# KiCad board Si5351ABreakout_panel.kicad_pcb (continued)
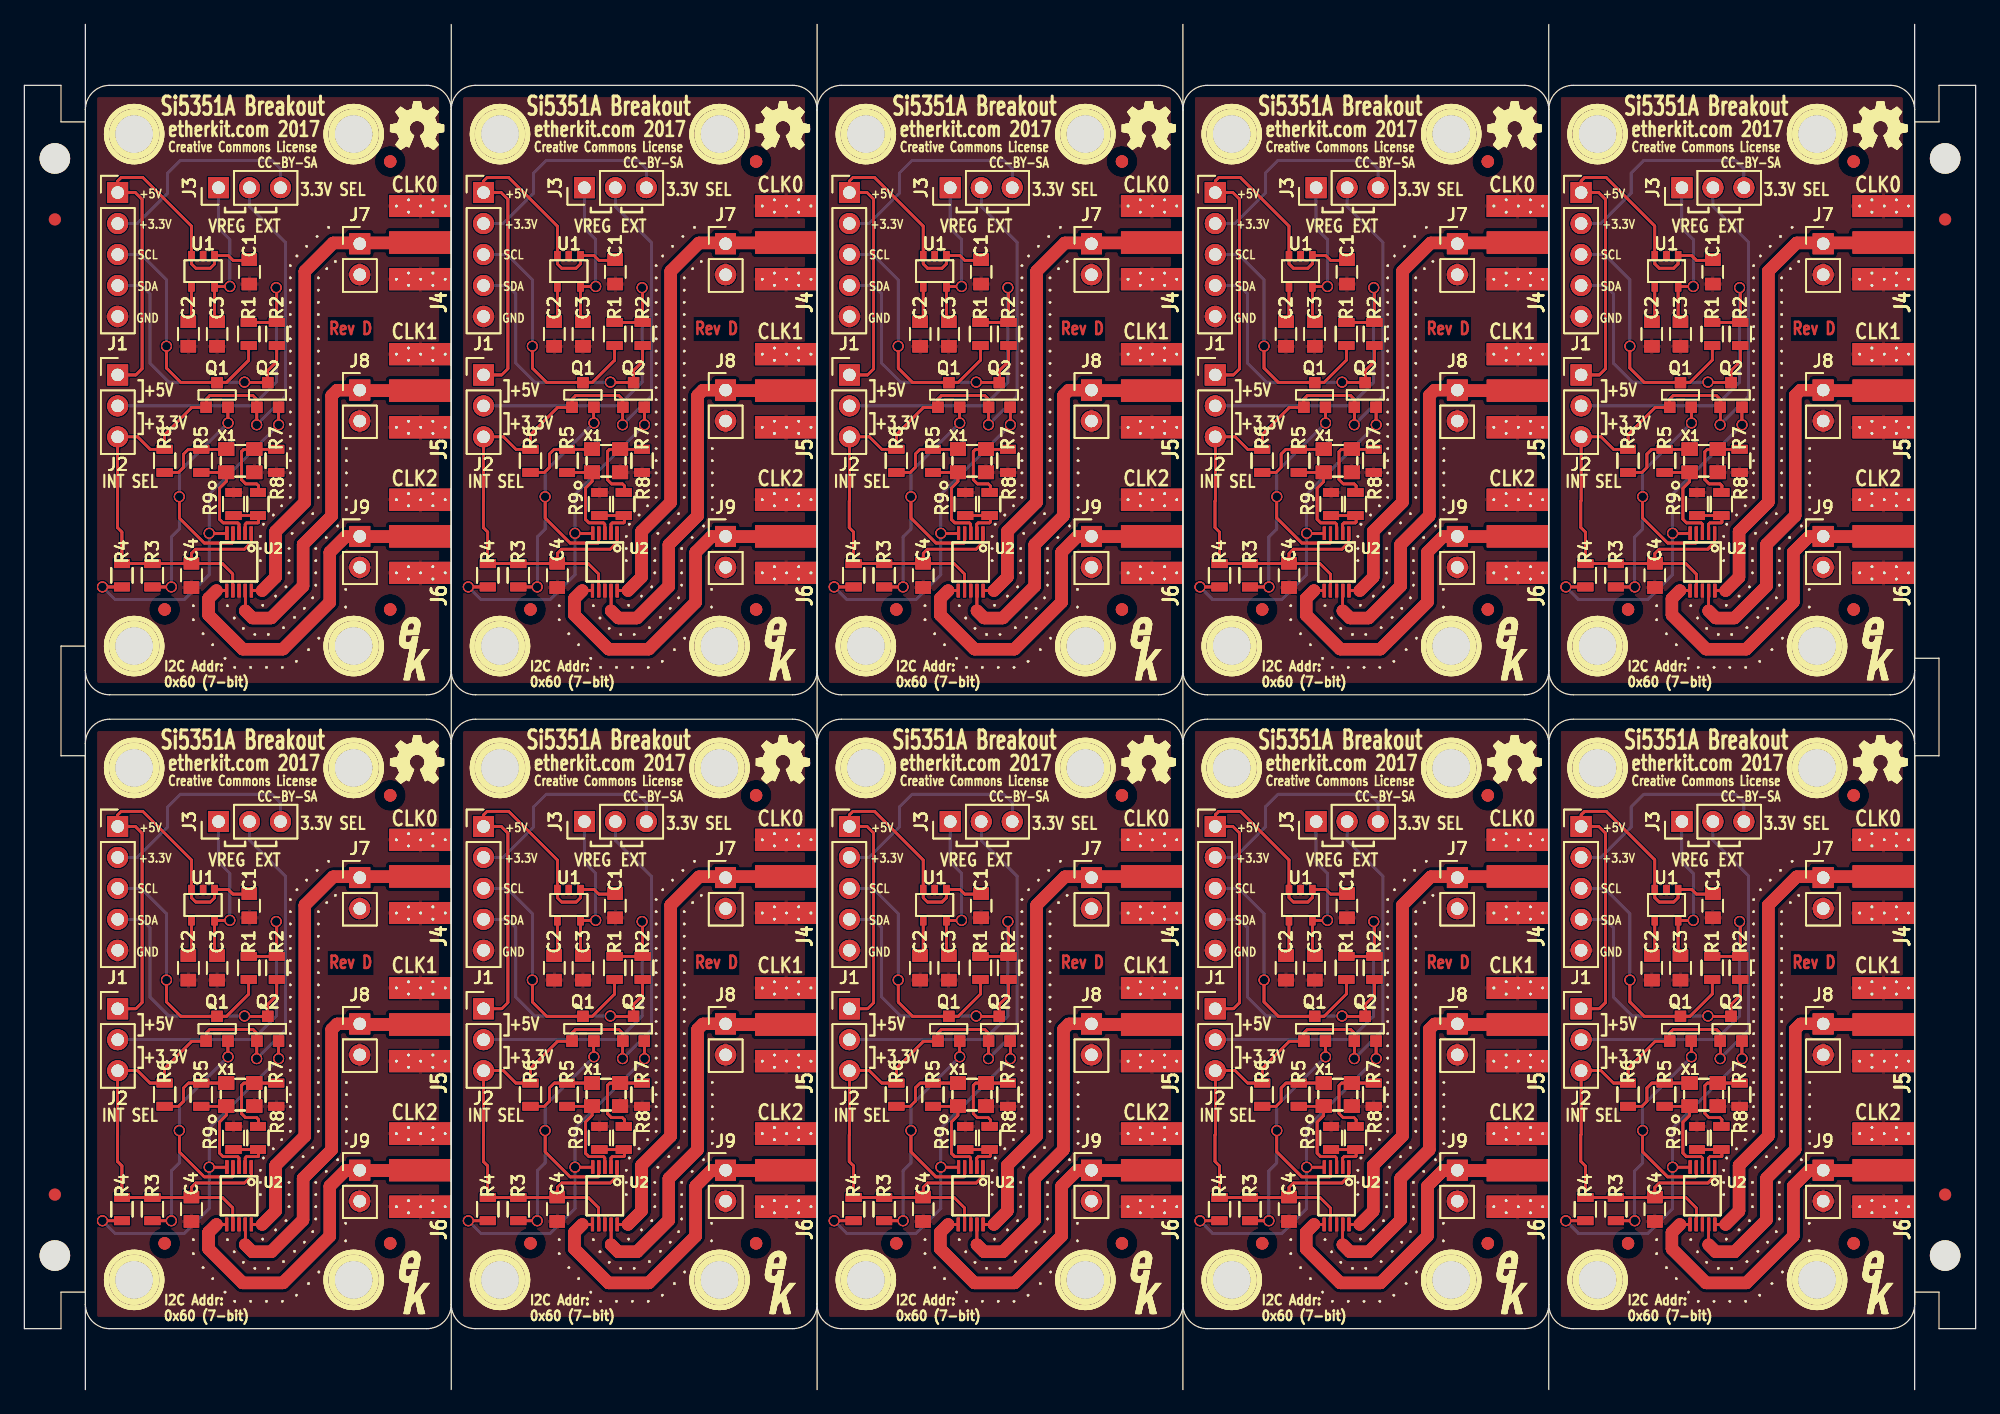
[diagram p0: board, top side]
## Placement (name value [footprint] x y rotation side) (continued)
VIA  VAL**  [VIA]  21.8 92.2 0 top
VIA#2  VAL**  [VIA]  51.8 92.2 0 top
VIA#3  VAL**  [VIA]  81.8 92.2 0 top
VIA#4  VAL**  [VIA]  111.8 92.2 0 top
VIA#5  VAL**  [VIA]  141.8 92.2 0 top
VIA#6  VAL**  [VIA]  21.8 91.2 0 top
VIA#7  VAL**  [VIA]  51.8 91.2 0 top
VIA#8  VAL**  [VIA]  81.8 91.2 0 top
VIA#9  VAL**  [VIA]  111.8 91.2 0 top
VIA#10  VAL**  [VIA]  141.8 91.2 0 top
VIA#11  VAL**  [VIA]  21.8 90.2 0 top
VIA#12  VAL**  [VIA]  51.8 90.2 0 top
VIA#13  VAL**  [VIA]  81.8 90.2 0 top
VIA#14  VAL**  [VIA]  111.8 90.2 0 top
VIA#15  VAL**  [VIA]  141.8 90.2 0 top
VIA#16  VAL**  [VIA]  21.8 89.2 0 top
VIA#17  VAL**  [VIA]  51.8 89.2 0 top
VIA#18  VAL**  [VIA]  81.8 89.2 0 top
VIA#19  VAL**  [VIA]  111.8 89.2 0 top
VIA#20  VAL**  [VIA]  141.8 89.2 0 top
VIA#21  VAL**  [VIA]  21.8 88.2 0 top
VIA#22  VAL**  [VIA]  51.8 88.2 0 top
VIA#23  VAL**  [VIA]  81.8 88.2 0 top
VIA#24  VAL**  [VIA]  111.8 88.2 0 top
VIA#25  VAL**  [VIA]  141.8 88.2 0 top
VIA#26  VAL**  [VIA]  21.8 87.2 0 top
VIA#27  VAL**  [VIA]  51.8 87.2 0 top
VIA#28  VAL**  [VIA]  81.8 87.2 0 top
VIA#29  VAL**  [VIA]  111.8 87.2 0 top
VIA#30  VAL**  [VIA]  141.8 87.2 0 top
VIA#31  VAL**  [VIA]  21.8 86.2 0 top
VIA#32  VAL**  [VIA]  51.8 86.2 0 top
VIA#33  VAL**  [VIA]  81.8 86.2 0 top
VIA#34  VAL**  [VIA]  111.8 86.2 0 top
VIA#35  VAL**  [VIA]  141.8 86.2 0 top
VIA#36  VAL**  [VIA]  21.8 85.2 0 top
VIA#37  VAL**  [VIA]  51.8 85.2 0 top
VIA#38  VAL**  [VIA]  81.8 85.2 0 top
VIA#39  VAL**  [VIA]  111.8 85.2 0 top
VIA#40  VAL**  [VIA]  141.8 85.2 0 top
VIA#41  VAL**  [VIA]  21.8 84.2 0 top
VIA#42  VAL**  [VIA]  51.8 84.2 0 top
VIA#43  VAL**  [VIA]  81.8 84.2 0 top
VIA#44  VAL**  [VIA]  111.8 84.2 0 top
VIA#45  VAL**  [VIA]  141.8 84.2 0 top
VIA#46  VAL**  [VIA]  21.8 83.2 0 top
VIA#47  VAL**  [VIA]  51.8 83.2 0 top
VIA#48  VAL**  [VIA]  81.8 83.2 0 top
VIA#49  VAL**  [VIA]  111.8 83.2 0 top
VIA#50  VAL**  [VIA]  141.8 83.2 0 top
VIA#51  VAL**  [VIA]  21.8 82.2 0 top
VIA#52  VAL**  [VIA]  51.8 82.2 0 top
VIA#53  VAL**  [VIA]  81.8 82.2 0 top
VIA#54  VAL**  [VIA]  111.8 82.2 0 top
VIA#55  VAL**  [VIA]  141.8 82.2 0 top
VIA#56  VAL**  [VIA]  21.8 81.2 0 top
VIA#57  VAL**  [VIA]  51.8 81.2 0 top
VIA#58  VAL**  [VIA]  81.8 81.2 0 top
VIA#59  VAL**  [VIA]  111.8 81.2 0 top
VIA#60  VAL**  [VIA]  141.8 81.2 0 top
VIA#61  VAL**  [VIA]  21.8 80.2 0 top
VIA#62  VAL**  [VIA]  51.8 80.2 0 top
VIA#63  VAL**  [VIA]  81.8 80.2 0 top
VIA#64  VAL**  [VIA]  111.8 80.2 0 top
VIA#65  VAL**  [VIA]  141.8 80.2 0 top
VIA#66  VAL**  [VIA]  21.8 79.2 0 top
VIA#67  VAL**  [VIA]  51.8 79.2 0 top
VIA#68  VAL**  [VIA]  81.8 79.2 0 top
VIA#69  VAL**  [VIA]  111.8 79.2 0 top
VIA#70  VAL**  [VIA]  141.8 79.2 0 top
VIA#71  VAL**  [VIA]  21.8 78.2 0 top
VIA#72  VAL**  [VIA]  51.8 78.2 0 top
VIA#73  VAL**  [VIA]  81.8 78.2 0 top
VIA#74  VAL**  [VIA]  111.8 78.2 0 top
VIA#75  VAL**  [VIA]  141.8 78.2 0 top
VIA#76  VAL**  [VIA]  21.8 77.2 0 top
VIA#77  VAL**  [VIA]  51.8 77.2 0 top
VIA#78  VAL**  [VIA]  81.8 77.2 0 top
VIA#79  VAL**  [VIA]  111.8 77.2 0 top
VIA#80  VAL**  [VIA]  141.8 77.2 0 top
VIA#81  VAL**  [VIA]  21.8 76.2 0 top
VIA#82  VAL**  [VIA]  51.8 76.2 0 top
VIA#83  VAL**  [VIA]  81.8 76.2 0 top
VIA#84  VAL**  [VIA]  111.8 76.2 0 top
VIA#85  VAL**  [VIA]  141.8 76.2 0 top
VIA#86  VAL**  [VIA]  21.8 75.2 0 top
VIA#87  VAL**  [VIA]  51.8 75.2 0 top
VIA#88  VAL**  [VIA]  81.8 75.2 0 top
VIA#89  VAL**  [VIA]  111.8 75.2 0 top
VIA#90  VAL**  [VIA]  141.8 75.2 0 top
VIA#91  VAL**  [VIA]  21.8 74.2 0 top
VIA#92  VAL**  [VIA]  51.8 74.2 0 top
VIA#93  VAL**  [VIA]  81.8 74.2 0 top
VIA#94  VAL**  [VIA]  111.8 74.2 0 top
VIA#95  VAL**  [VIA]  141.8 74.2 0 top
VIA#96  VAL**  [VIA]  21.8 73.2 0 top
VIA#97  VAL**  [VIA]  51.8 73.2 0 top
VIA#98  VAL**  [VIA]  81.8 73.2 0 top
VIA#99  VAL**  [VIA]  111.8 73.2 0 top
VIA#100  VAL**  [VIA]  141.8 73.2 0 top
VIA#101  VAL**  [VIA]  23.65 71.85 0 top
VIA#102  VAL**  [VIA]  53.65 71.85 0 top
VIA#103  VAL**  [VIA]  83.65 71.85 0 top
VIA#104  VAL**  [VIA]  113.65 71.85 0 top
VIA#105  VAL**  [VIA]  143.65 71.85 0 top
VIA#106  VAL**  [VIA]  19.35 68 0 top
VIA#107  VAL**  [VIA]  49.35 68 0 top
VIA#108  VAL**  [VIA]  79.35 68 0 top
VIA#109  VAL**  [VIA]  109.35 68 0 top
VIA#110  VAL**  [VIA]  139.35 68 0 top
VIA#111  VAL**  [VIA]  19.35 69 0 top
VIA#112  VAL**  [VIA]  49.35 69 0 top
VIA#113  VAL**  [VIA]  79.35 69 0 top
VIA#114  VAL**  [VIA]  109.35 69 0 top
VIA#115  VAL**  [VIA]  139.35 69 0 top
VIA#116  VAL**  [VIA]  19.35 70 0 top
VIA#117  VAL**  [VIA]  49.35 70 0 top
VIA#118  VAL**  [VIA]  79.35 70 0 top
VIA#119  VAL**  [VIA]  109.35 70 0 top
VIA#120  VAL**  [VIA]  139.35 70 0 top
VIA#121  VAL**  [VIA]  19.6 71 0 top
VIA#122  VAL**  [VIA]  49.6 71 0 top
VIA#123  VAL**  [VIA]  79.6 71 0 top
VIA#124  VAL**  [VIA]  109.6 71 0 top
VIA#125  VAL**  [VIA]  139.6 71 0 top
VIA#126  VAL**  [VIA]  20.4 71.75 0 top
VIA#127  VAL**  [VIA]  50.4 71.75 0 top
VIA#128  VAL**  [VIA]  80.4 71.75 0 top
VIA#129  VAL**  [VIA]  110.4 71.75 0 top
VIA#130  VAL**  [VIA]  140.4 71.75 0 top
VIA#131  VAL**  [VIA]  21.1 72.5 0 top
VIA#132  VAL**  [VIA]  51.1 72.5 0 top
VIA#133  VAL**  [VIA]  81.1 72.5 0 top
VIA#134  VAL**  [VIA]  111.1 72.5 0 top
VIA#135  VAL**  [VIA]  141.1 72.5 0 top
VIA#136  VAL**  [VIA]  24.1 73.2 0 top
VIA#137  VAL**  [VIA]  54.1 73.2 0 top
VIA#138  VAL**  [VIA]  84.1 73.2 0 top
VIA#139  VAL**  [VIA]  114.1 73.2 0 top
VIA#140  VAL**  [VIA]  144.1 73.2 0 top
VIA#141  VAL**  [VIA]  24.1 74.2 0 top
VIA#142  VAL**  [VIA]  54.1 74.2 0 top
VIA#143  VAL**  [VIA]  84.1 74.2 0 top
VIA#144  VAL**  [VIA]  114.1 74.2 0 top
VIA#145  VAL**  [VIA]  144.1 74.2 0 top
VIA#146  VAL**  [VIA]  24.1 75.2 0 top
VIA#147  VAL**  [VIA]  54.1 75.2 0 top
VIA#148  VAL**  [VIA]  84.1 75.2 0 top
VIA#149  VAL**  [VIA]  114.1 75.2 0 top
VIA#150  VAL**  [VIA]  144.1 75.2 0 top
VIA#151  VAL**  [VIA]  24.1 76.2 0 top
VIA#152  VAL**  [VIA]  54.1 76.2 0 top
VIA#153  VAL**  [VIA]  84.1 76.2 0 top
VIA#154  VAL**  [VIA]  114.1 76.2 0 top
VIA#155  VAL**  [VIA]  144.1 76.2 0 top
VIA#156  VAL**  [VIA]  24.1 77.2 0 top
VIA#157  VAL**  [VIA]  54.1 77.2 0 top
VIA#158  VAL**  [VIA]  84.1 77.2 0 top
VIA#159  VAL**  [VIA]  114.1 77.2 0 top
VIA#160  VAL**  [VIA]  144.1 77.2 0 top
VIA#161  VAL**  [VIA]  24.1 78.2 0 top
VIA#162  VAL**  [VIA]  54.1 78.2 0 top
VIA#163  VAL**  [VIA]  84.1 78.2 0 top
VIA#164  VAL**  [VIA]  114.1 78.2 0 top
VIA#165  VAL**  [VIA]  144.1 78.2 0 top
VIA#166  VAL**  [VIA]  24.1 79.2 0 top
VIA#167  VAL**  [VIA]  54.1 79.2 0 top
VIA#168  VAL**  [VIA]  84.1 79.2 0 top
VIA#169  VAL**  [VIA]  114.1 79.2 0 top
VIA#170  VAL**  [VIA]  144.1 79.2 0 top
VIA#171  VAL**  [VIA]  24.1 80.2 0 top
VIA#172  VAL**  [VIA]  54.1 80.2 0 top
VIA#173  VAL**  [VIA]  84.1 80.2 0 top
VIA#174  VAL**  [VIA]  114.1 80.2 0 top
VIA#175  VAL**  [VIA]  144.1 80.2 0 top
VIA#176  VAL**  [VIA]  24.1 81.2 0 top
VIA#177  VAL**  [VIA]  54.1 81.2 0 top
VIA#178  VAL**  [VIA]  84.1 81.2 0 top
VIA#179  VAL**  [VIA]  114.1 81.2 0 top
VIA#180  VAL**  [VIA]  144.1 81.2 0 top
VIA#181  VAL**  [VIA]  22.85 71.1 0 top
VIA#182  VAL**  [VIA]  52.85 71.1 0 top
VIA#183  VAL**  [VIA]  82.85 71.1 0 top
VIA#184  VAL**  [VIA]  112.85 71.1 0 top
VIA#185  VAL**  [VIA]  142.85 71.1 0 top
VIA#186  VAL**  [VIA]  21.95 70.25 0 top
VIA#187  VAL**  [VIA]  51.95 70.25 0 top
VIA#188  VAL**  [VIA]  81.95 70.25 0 top
VIA#189  VAL**  [VIA]  111.95 70.25 0 top
VIA#190  VAL**  [VIA]  141.95 70.25 0 top
VIA#191  VAL**  [VIA]  21.7 69 0 top
VIA#192  VAL**  [VIA]  51.7 69 0 top
VIA#193  VAL**  [VIA]  81.7 69 0 top
VIA#194  VAL**  [VIA]  111.7 69 0 top
VIA#195  VAL**  [VIA]  141.7 69 0 top
VIA#196  VAL**  [VIA]  21.7 68 0 top
VIA#197  VAL**  [VIA]  51.7 68 0 top
VIA#198  VAL**  [VIA]  81.7 68 0 top
VIA#199  VAL**  [VIA]  111.7 68 0 top
VIA#200  VAL**  [VIA]  141.7 68 0 top
VIA#201  VAL**  [VIA]  21.7 67 0 top
VIA#202  VAL**  [VIA]  51.7 67 0 top
VIA#203  VAL**  [VIA]  81.7 67 0 top
VIA#204  VAL**  [VIA]  111.7 67 0 top
VIA#205  VAL**  [VIA]  141.7 67 0 top
VIA#206  VAL**  [VIA]  21.45 65.85 0 top
VIA#207  VAL**  [VIA]  51.45 65.85 0 top
VIA#208  VAL**  [VIA]  81.45 65.85 0 top
VIA#209  VAL**  [VIA]  111.45 65.85 0 top
VIA#210  VAL**  [VIA]  141.45 65.85 0 top
VIA#211  VAL**  [VIA]  20.6 65.1 0 top
VIA#212  VAL**  [VIA]  50.6 65.1 0 top
VIA#213  VAL**  [VIA]  80.6 65.1 0 top
VIA#214  VAL**  [VIA]  110.6 65.1 0 top
VIA#215  VAL**  [VIA]  140.6 65.1 0 top
VIA#216  VAL**  [VIA]  19.55 64.35 0 top
VIA#217  VAL**  [VIA]  49.55 64.35 0 top
VIA#218  VAL**  [VIA]  79.55 64.35 0 top
VIA#219  VAL**  [VIA]  109.55 64.35 0 top
VIA#220  VAL**  [VIA]  139.55 64.35 0 top
VIA#221  VAL**  [VIA]  16.65 64.3 0 top
VIA#222  VAL**  [VIA]  46.65 64.3 0 top
VIA#223  VAL**  [VIA]  76.65 64.3 0 top
VIA#224  VAL**  [VIA]  106.65 64.3 0 top
VIA#225  VAL**  [VIA]  136.65 64.3 0 top
VIA#226  VAL**  [VIA]  17.2 63.3 0 top
VIA#227  VAL**  [VIA]  47.2 63.3 0 top
VIA#228  VAL**  [VIA]  77.2 63.3 0 top
VIA#229  VAL**  [VIA]  107.2 63.3 0 top
VIA#230  VAL**  [VIA]  137.2 63.3 0 top
VIA#231  VAL**  [VIA]  17.95 62.45 0 top
VIA#232  VAL**  [VIA]  47.95 62.45 0 top
VIA#233  VAL**  [VIA]  77.95 62.45 0 top
VIA#234  VAL**  [VIA]  107.95 62.45 0 top
VIA#235  VAL**  [VIA]  137.95 62.45 0 top
VIA#236  VAL**  [VIA]  18.9 61.95 0 top
VIA#237  VAL**  [VIA]  48.9 61.95 0 top
VIA#238  VAL**  [VIA]  78.9 61.95 0 top
VIA#239  VAL**  [VIA]  108.9 61.95 0 top
VIA#240  VAL**  [VIA]  138.9 61.95 0 top
VIA#241  VAL**  [VIA]  20 61.95 0 top
VIA#242  VAL**  [VIA]  50 61.95 0 top
VIA#243  VAL**  [VIA]  80 61.95 0 top
VIA#244  VAL**  [VIA]  110 61.95 0 top
VIA#245  VAL**  [VIA]  140 61.95 0 top
VIA#246  VAL**  [VIA]  21.25 62.5 0 top
VIA#247  VAL**  [VIA]  51.25 62.5 0 top
VIA#248  VAL**  [VIA]  81.25 62.5 0 top
VIA#249  VAL**  [VIA]  111.25 62.5 0 top
VIA#250  VAL**  [VIA]  141.25 62.5 0 top
VIA#251  VAL**  [VIA]  22.15 63.35 0 top
VIA#252  VAL**  [VIA]  52.15 63.35 0 top
VIA#253  VAL**  [VIA]  82.15 63.35 0 top
VIA#254  VAL**  [VIA]  112.15 63.35 0 top
VIA#255  VAL**  [VIA]  142.15 63.35 0 top
VIA#256  VAL**  [VIA]  22.95 64.1 0 top
VIA#257  VAL**  [VIA]  52.95 64.1 0 top
VIA#258  VAL**  [VIA]  82.95 64.1 0 top
VIA#259  VAL**  [VIA]  112.95 64.1 0 top
VIA#260  VAL**  [VIA]  142.95 64.1 0 top
VIA#261  VAL**  [VIA]  23.9 66 0 top
VIA#262  VAL**  [VIA]  53.9 66 0 top
VIA#263  VAL**  [VIA]  83.9 66 0 top
VIA#264  VAL**  [VIA]  113.9 66 0 top
VIA#265  VAL**  [VIA]  143.9 66 0 top
VIA#266  VAL**  [VIA]  23.9 67 0 top
VIA#267  VAL**  [VIA]  53.9 67 0 top
VIA#268  VAL**  [VIA]  83.9 67 0 top
VIA#269  VAL**  [VIA]  113.9 67 0 top
VIA#270  VAL**  [VIA]  143.9 67 0 top
VIA#271  VAL**  [VIA]  23.9 68 0 top
VIA#272  VAL**  [VIA]  53.9 68 0 top
VIA#273  VAL**  [VIA]  83.9 68 0 top
VIA#274  VAL**  [VIA]  113.9 68 0 top
VIA#275  VAL**  [VIA]  143.9 68 0 top
VIA#276  VAL**  [VIA]  23.9 69 0 top
VIA#277  VAL**  [VIA]  53.9 69 0 top
VIA#278  VAL**  [VIA]  83.9 69 0 top
VIA#279  VAL**  [VIA]  113.9 69 0 top
VIA#280  VAL**  [VIA]  143.9 69 0 top
VIA#281  VAL**  [VIA]  24.75 69.9 0 top
VIA#282  VAL**  [VIA]  54.75 69.9 0 top
VIA#283  VAL**  [VIA]  84.75 69.9 0 top
VIA#284  VAL**  [VIA]  114.75 69.9 0 top
VIA#285  VAL**  [VIA]  144.75 69.9 0 top
VIA#286  VAL**  [VIA]  25.7 70.85 0 top
VIA#287  VAL**  [VIA]  55.7 70.85 0 top
VIA#288  VAL**  [VIA]  85.7 70.85 0 top
VIA#289  VAL**  [VIA]  115.7 70.85 0 top
VIA#290  VAL**  [VIA]  145.7 70.85 0 top
VIA#291  VAL**  [VIA]  26.4 72.2 0 top
VIA#292  VAL**  [VIA]  56.4 72.2 0 top
VIA#293  VAL**  [VIA]  86.4 72.2 0 top
VIA#294  VAL**  [VIA]  116.4 72.2 0 top
VIA#295  VAL**  [VIA]  146.4 72.2 0 top
VIA#296  VAL**  [VIA]  23.65 64.95 0 top
VIA#297  VAL**  [VIA]  53.65 64.95 0 top
VIA#298  VAL**  [VIA]  83.65 64.95 0 top
VIA#299  VAL**  [VIA]  113.65 64.95 0 top
VIA#300  VAL**  [VIA]  143.65 64.95 0 top
VIA#301  VAL**  [VIA]  26.4 73.2 0 top
VIA#302  VAL**  [VIA]  56.4 73.2 0 top
VIA#303  VAL**  [VIA]  86.4 73.2 0 top
VIA#304  VAL**  [VIA]  116.4 73.2 0 top
VIA#305  VAL**  [VIA]  146.4 73.2 0 top
VIA#306  VAL**  [VIA]  26.4 74.2 0 top
VIA#307  VAL**  [VIA]  56.4 74.2 0 top
VIA#308  VAL**  [VIA]  86.4 74.2 0 top
VIA#309  VAL**  [VIA]  116.4 74.2 0 top
VIA#310  VAL**  [VIA]  146.4 74.2 0 top
VIA#311  VAL**  [VIA]  26.4 75.2 0 top
VIA#312  VAL**  [VIA]  56.4 75.2 0 top
VIA#313  VAL**  [VIA]  86.4 75.2 0 top
VIA#314  VAL**  [VIA]  116.4 75.2 0 top
VIA#315  VAL**  [VIA]  146.4 75.2 0 top
VIA#316  VAL**  [VIA]  26.4 76.2 0 top
VIA#317  VAL**  [VIA]  56.4 76.2 0 top
VIA#318  VAL**  [VIA]  86.4 76.2 0 top
VIA#319  VAL**  [VIA]  116.4 76.2 0 top
VIA#320  VAL**  [VIA]  146.4 76.2 0 top
VIA#321  VAL**  [VIA]  26.4 77.2 0 top
VIA#322  VAL**  [VIA]  56.4 77.2 0 top
VIA#323  VAL**  [VIA]  86.4 77.2 0 top
VIA#324  VAL**  [VIA]  116.4 77.2 0 top
VIA#325  VAL**  [VIA]  146.4 77.2 0 top
VIA#326  VAL**  [VIA]  24.1 82.2 0 top
VIA#327  VAL**  [VIA]  54.1 82.2 0 top
VIA#328  VAL**  [VIA]  84.1 82.2 0 top
VIA#329  VAL**  [VIA]  114.1 82.2 0 top
VIA#330  VAL**  [VIA]  144.1 82.2 0 top
VIA#331  VAL**  [VIA]  24.1 83.2 0 top
VIA#332  VAL**  [VIA]  54.1 83.2 0 top
VIA#333  VAL**  [VIA]  84.1 83.2 0 top
VIA#334  VAL**  [VIA]  114.1 83.2 0 top
VIA#335  VAL**  [VIA]  144.1 83.2 0 top
VIA#336  VAL**  [VIA]  24.1 84.2 0 top
VIA#337  VAL**  [VIA]  54.1 84.2 0 top
VIA#338  VAL**  [VIA]  84.1 84.2 0 top
VIA#339  VAL**  [VIA]  114.1 84.2 0 top
VIA#340  VAL**  [VIA]  144.1 84.2 0 top
VIA#341  VAL**  [VIA]  24.1 85.2 0 top
VIA#342  VAL**  [VIA]  54.1 85.2 0 top
VIA#343  VAL**  [VIA]  84.1 85.2 0 top
VIA#344  VAL**  [VIA]  114.1 85.2 0 top
VIA#345  VAL**  [VIA]  144.1 85.2 0 top
VIA#346  VAL**  [VIA]  24.1 86.2 0 top
VIA#347  VAL**  [VIA]  54.1 86.2 0 top
VIA#348  VAL**  [VIA]  84.1 86.2 0 top
VIA#349  VAL**  [VIA]  114.1 86.2 0 top
VIA#350  VAL**  [VIA]  144.1 86.2 0 top
VIA#351  VAL**  [VIA]  24.1 87.2 0 top
VIA#352  VAL**  [VIA]  54.1 87.2 0 top
VIA#353  VAL**  [VIA]  84.1 87.2 0 top
VIA#354  VAL**  [VIA]  114.1 87.2 0 top
VIA#355  VAL**  [VIA]  144.1 87.2 0 top
VIA#356  VAL**  [VIA]  24.1 88.2 0 top
VIA#357  VAL**  [VIA]  54.1 88.2 0 top
VIA#358  VAL**  [VIA]  84.1 88.2 0 top
VIA#359  VAL**  [VIA]  114.1 88.2 0 top
VIA#360  VAL**  [VIA]  144.1 88.2 0 top
VIA#361  VAL**  [VIA]  24.1 89.2 0 top
VIA#362  VAL**  [VIA]  54.1 89.2 0 top
VIA#363  VAL**  [VIA]  84.1 89.2 0 top
VIA#364  VAL**  [VIA]  114.1 89.2 0 top
VIA#365  VAL**  [VIA]  144.1 89.2 0 top
VIA#366  VAL**  [VIA]  24.1 90.2 0 top
VIA#367  VAL**  [VIA]  54.1 90.2 0 top
VIA#368  VAL**  [VIA]  84.1 90.2 0 top
VIA#369  VAL**  [VIA]  114.1 90.2 0 top
VIA#370  VAL**  [VIA]  144.1 90.2 0 top
VIA#371  VAL**  [VIA]  24.1 91.2 0 top
VIA#372  VAL**  [VIA]  54.1 91.2 0 top
VIA#373  VAL**  [VIA]  84.1 91.2 0 top
VIA#374  VAL**  [VIA]  114.1 91.2 0 top
VIA#375  VAL**  [VIA]  144.1 91.2 0 top
VIA#376  VAL**  [VIA]  24.8 91.95 0 top
VIA#377  VAL**  [VIA]  54.8 91.95 0 top
VIA#378  VAL**  [VIA]  84.8 91.95 0 top
VIA#379  VAL**  [VIA]  114.8 91.95 0 top
VIA#380  VAL**  [VIA]  144.8 91.95 0 top
VIA#381  VAL**  [VIA]  25.5 92.55 0 top
VIA#382  VAL**  [VIA]  55.5 92.55 0 top
VIA#383  VAL**  [VIA]  85.5 92.55 0 top
VIA#384  VAL**  [VIA]  115.5 92.55 0 top
VIA#385  VAL**  [VIA]  145.5 92.55 0 top
VIA#386  VAL**  [VIA]  22.35 93 0 top
VIA#387  VAL**  [VIA]  52.35 93 0 top
VIA#388  VAL**  [VIA]  82.35 93 0 top
VIA#389  VAL**  [VIA]  112.35 93 0 top
VIA#390  VAL**  [VIA]  142.35 93 0 top
VIA#391  VAL**  [VIA]  23.15 93.8 0 top
VIA#392  VAL**  [VIA]  53.15 93.8 0 top
VIA#393  VAL**  [VIA]  83.15 93.8 0 top
VIA#394  VAL**  [VIA]  113.15 93.8 0 top
VIA#395  VAL**  [VIA]  143.15 93.8 0 top
VIA#396  VAL**  [VIA]  24 94.6 0 top
VIA#397  VAL**  [VIA]  54 94.6 0 top
VIA#398  VAL**  [VIA]  84 94.6 0 top
VIA#399  VAL**  [VIA]  114 94.6 0 top
VIA#400  VAL**  [VIA]  144 94.6 0 top
VIA#401  VAL**  [VIA]  24.95 95.35 0 top
VIA#402  VAL**  [VIA]  54.95 95.35 0 top
VIA#403  VAL**  [VIA]  84.95 95.35 0 top
VIA#404  VAL**  [VIA]  114.95 95.35 0 top
VIA#405  VAL**  [VIA]  144.95 95.35 0 top
VIA#406  VAL**  [VIA]  13.85 64.3 0 top
VIA#407  VAL**  [VIA]  43.85 64.3 0 top
VIA#408  VAL**  [VIA]  73.85 64.3 0 top
VIA#409  VAL**  [VIA]  103.85 64.3 0 top
VIA#410  VAL**  [VIA]  133.85 64.3 0 top
VIA#411  VAL**  [VIA]  13.85 63.15 0 top
VIA#412  VAL**  [VIA]  43.85 63.15 0 top
VIA#413  VAL**  [VIA]  73.85 63.15 0 top
VIA#414  VAL**  [VIA]  103.85 63.15 0 top
VIA#415  VAL**  [VIA]  133.85 63.15 0 top
VIA#416  VAL**  [VIA]  14.65 62 0 top
VIA#417  VAL**  [VIA]  44.65 62 0 top
VIA#418  VAL**  [VIA]  74.65 62 0 top
VIA#419  VAL**  [VIA]  104.65 62 0 top
VIA#420  VAL**  [VIA]  134.65 62 0 top
VIA#421  VAL**  [VIA]  15.45 61.1 0 top
VIA#422  VAL**  [VIA]  45.45 61.1 0 top
VIA#423  VAL**  [VIA]  75.45 61.1 0 top
VIA#424  VAL**  [VIA]  105.45 61.1 0 top
VIA#425  VAL**  [VIA]  135.45 61.1 0 top
VIA#426  VAL**  [VIA]  16.45 60 0 top
VIA#427  VAL**  [VIA]  46.45 60 0 top
VIA#428  VAL**  [VIA]  76.45 60 0 top
VIA#429  VAL**  [VIA]  106.45 60 0 top
VIA#430  VAL**  [VIA]  136.45 60 0 top
VIA#431  VAL**  [VIA]  18.55 59.25 0 top
VIA#432  VAL**  [VIA]  48.55 59.25 0 top
VIA#433  VAL**  [VIA]  78.55 59.25 0 top
VIA#434  VAL**  [VIA]  108.55 59.25 0 top
VIA#435  VAL**  [VIA]  138.55 59.25 0 top
VIA#436  VAL**  [VIA]  19.85 59.25 0 top
VIA#437  VAL**  [VIA]  49.85 59.25 0 top
VIA#438  VAL**  [VIA]  79.85 59.25 0 top
VIA#439  VAL**  [VIA]  109.85 59.25 0 top
VIA#440  VAL**  [VIA]  139.85 59.25 0 top
VIA#441  VAL**  [VIA]  21.15 59.25 0 top
VIA#442  VAL**  [VIA]  51.15 59.25 0 top
VIA#443  VAL**  [VIA]  81.15 59.25 0 top
VIA#444  VAL**  [VIA]  111.15 59.25 0 top
VIA#445  VAL**  [VIA]  141.15 59.25 0 top
VIA#446  VAL**  [VIA]  22.3 59.75 0 top
VIA#447  VAL**  [VIA]  52.3 59.75 0 top
VIA#448  VAL**  [VIA]  82.3 59.75 0 top
VIA#449  VAL**  [VIA]  112.3 59.75 0 top
VIA#450  VAL**  [VIA]  142.3 59.75 0 top
VIA#451  VAL**  [VIA]  23.3 60.7 0 top
VIA#452  VAL**  [VIA]  53.3 60.7 0 top
VIA#453  VAL**  [VIA]  83.3 60.7 0 top
VIA#454  VAL**  [VIA]  113.3 60.7 0 top
VIA#455  VAL**  [VIA]  143.3 60.7 0 top
VIA#456  VAL**  [VIA]  24.15 61.65 0 top
VIA#457  VAL**  [VIA]  54.15 61.65 0 top
VIA#458  VAL**  [VIA]  84.15 61.65 0 top
VIA#459  VAL**  [VIA]  114.15 61.65 0 top
VIA#460  VAL**  [VIA]  144.15 61.65 0 top
VIA#461  VAL**  [VIA]  17.25 59.25 0 top
VIA#462  VAL**  [VIA]  47.25 59.25 0 top
VIA#463  VAL**  [VIA]  77.25 59.25 0 top
VIA#464  VAL**  [VIA]  107.25 59.25 0 top
VIA#465  VAL**  [VIA]  137.25 59.25 0 top
VIA#466  VAL**  [VIA]  26.35 64.2 0 top
VIA#467  VAL**  [VIA]  56.35 64.2 0 top
VIA#468  VAL**  [VIA]  86.35 64.2 0 top
VIA#469  VAL**  [VIA]  116.35 64.2 0 top
VIA#470  VAL**  [VIA]  146.35 64.2 0 top
VIA#471  VAL**  [VIA]  26.35 65.65 0 top
VIA#472  VAL**  [VIA]  56.35 65.65 0 top
VIA#473  VAL**  [VIA]  86.35 65.65 0 top
VIA#474  VAL**  [VIA]  116.35 65.65 0 top
VIA#475  VAL**  [VIA]  146.35 65.65 0 top
VIA#476  VAL**  [VIA]  17.2 63.3 0 top
VIA#477  VAL**  [VIA]  26.35 65.65 0 top
VIA#478  VAL**  [VIA]  26.35 64.2 0 top
VIA#479  VAL**  [VIA]  17.25 59.25 0 top
VIA#480  VAL**  [VIA]  24.15 61.65 0 top
VIA#481  VAL**  [VIA]  23.3 60.7 0 top
VIA#482  VAL**  [VIA]  22.3 59.75 0 top
VIA#483  VAL**  [VIA]  21.15 59.25 0 top
VIA#484  VAL**  [VIA]  19.85 59.25 0 top
VIA#485  VAL**  [VIA]  18.55 59.25 0 top
VIA#486  VAL**  [VIA]  16.45 60 0 top
VIA#487  VAL**  [VIA]  15.45 61.1 0 top
VIA#488  VAL**  [VIA]  14.65 62 0 top
VIA#489  VAL**  [VIA]  13.85 63.15 0 top
VIA#490  VAL**  [VIA]  13.85 64.3 0 top
VIA#491  VAL**  [VIA]  24.95 95.35 0 top
VIA#492  VAL**  [VIA]  24 94.6 0 top
VIA#493  VAL**  [VIA]  23.15 93.8 0 top
VIA#494  VAL**  [VIA]  22.35 93 0 top
VIA#495  VAL**  [VIA]  25.5 92.55 0 top
VIA#496  VAL**  [VIA]  24.8 91.95 0 top
VIA#497  VAL**  [VIA]  24.1 91.2 0 top
VIA#498  VAL**  [VIA]  24.1 90.2 0 top
VIA#499  VAL**  [VIA]  24.1 89.2 0 top
VIA#500  VAL**  [VIA]  24.1 88.2 0 top
VIA#501  VAL**  [VIA]  24.1 87.2 0 top
VIA#502  VAL**  [VIA]  24.1 86.2 0 top
VIA#503  VAL**  [VIA]  24.1 85.2 0 top
VIA#504  VAL**  [VIA]  24.1 84.2 0 top
VIA#505  VAL**  [VIA]  24.1 83.2 0 top
VIA#506  VAL**  [VIA]  24.1 82.2 0 top
VIA#507  VAL**  [VIA]  26.4 77.2 0 top
VIA#508  VAL**  [VIA]  26.4 76.2 0 top
VIA#509  VAL**  [VIA]  26.4 75.2 0 top
VIA#510  VAL**  [VIA]  26.4 74.2 0 top
VIA#511  VAL**  [VIA]  26.4 73.2 0 top
VIA#512  VAL**  [VIA]  23.65 64.95 0 top
VIA#513  VAL**  [VIA]  26.4 72.2 0 top
VIA#514  VAL**  [VIA]  25.7 70.85 0 top
VIA#515  VAL**  [VIA]  24.75 69.9 0 top
VIA#516  VAL**  [VIA]  23.9 69 0 top
VIA#517  VAL**  [VIA]  23.9 68 0 top
VIA#518  VAL**  [VIA]  23.9 67 0 top
VIA#519  VAL**  [VIA]  23.9 66 0 top
VIA#520  VAL**  [VIA]  22.95 64.1 0 top
VIA#521  VAL**  [VIA]  22.15 63.35 0 top
VIA#522  VAL**  [VIA]  21.25 62.5 0 top
VIA#523  VAL**  [VIA]  20 61.95 0 top
VIA#524  VAL**  [VIA]  18.9 61.95 0 top
VIA#525  VAL**  [VIA]  17.95 62.45 0 top
VIA#526  VAL**  [VIA]  16.65 64.3 0 top
VIA#527  VAL**  [VIA]  19.55 64.35 0 top
VIA#528  VAL**  [VIA]  20.6 65.1 0 top
VIA#529  VAL**  [VIA]  21.45 65.85 0 top
VIA#530  VAL**  [VIA]  21.7 67 0 top
VIA#531  VAL**  [VIA]  21.7 68 0 top
VIA#532  VAL**  [VIA]  21.7 69 0 top
VIA#533  VAL**  [VIA]  21.95 70.25 0 top
VIA#534  VAL**  [VIA]  22.85 71.1 0 top
VIA#535  VAL**  [VIA]  24.1 80.2 0 top
VIA#536  VAL**  [VIA]  24.1 79.2 0 top
VIA#537  VAL**  [VIA]  24.1 78.2 0 top
VIA#538  VAL**  [VIA]  24.1 77.2 0 top
VIA#539  VAL**  [VIA]  24.1 76.2 0 top
VIA#540  VAL**  [VIA]  24.1 75.2 0 top
VIA#541  VAL**  [VIA]  24.1 74.2 0 top
VIA#542  VAL**  [VIA]  24.1 73.2 0 top
VIA#543  VAL**  [VIA]  21.1 72.5 0 top
VIA#544  VAL**  [VIA]  20.4 71.75 0 top
VIA#545  VAL**  [VIA]  19.6 71 0 top
VIA#546  VAL**  [VIA]  19.35 70 0 top
VIA#547  VAL**  [VIA]  19.35 69 0 top
VIA#548  VAL**  [VIA]  19.35 68 0 top
VIA#549  VAL**  [VIA]  23.65 71.85 0 top
VIA#550  VAL**  [VIA]  21.8 73.2 0 top
VIA#551  VAL**  [VIA]  21.8 74.2 0 top
VIA#552  VAL**  [VIA]  21.8 75.2 0 top
VIA#553  VAL**  [VIA]  21.8 76.2 0 top
VIA#554  VAL**  [VIA]  21.8 77.2 0 top
VIA#555  VAL**  [VIA]  21.8 78.2 0 top
VIA#556  VAL**  [VIA]  21.8 79.2 0 top
VIA#557  VAL**  [VIA]  21.8 80.2 0 top
VIA#558  VAL**  [VIA]  21.8 81.2 0 top
VIA#559  VAL**  [VIA]  21.8 82.2 0 top
VIA#560  VAL**  [VIA]  21.8 83.2 0 top
VIA#561  VAL**  [VIA]  21.8 84.2 0 top
VIA#562  VAL**  [VIA]  21.8 85.2 0 top
VIA#563  VAL**  [VIA]  21.8 86.2 0 top
VIA#564  VAL**  [VIA]  21.8 87.2 0 top
VIA#565  VAL**  [VIA]  21.8 88.2 0 top
VIA#566  VAL**  [VIA]  21.8 89.2 0 top
VIA#567  VAL**  [VIA]  21.8 90.2 0 top
VIA#568  VAL**  [VIA]  21.8 91.2 0 top
VIA#569  VAL**  [VIA]  21.8 92.2 0 top
VIA#570  VAL**  [VIA]  24.1 81.2 0 top
VIA#571  VAL**  [VIA]  47.2 63.3 0 top
VIA#572  VAL**  [VIA]  56.35 65.65 0 top
VIA#573  VAL**  [VIA]  56.35 64.2 0 top
VIA#574  VAL**  [VIA]  47.25 59.25 0 top
VIA#575  VAL**  [VIA]  54.15 61.65 0 top
VIA#576  VAL**  [VIA]  53.3 60.7 0 top
VIA#577  VAL**  [VIA]  52.3 59.75 0 top
VIA#578  VAL**  [VIA]  51.15 59.25 0 top
VIA#579  VAL**  [VIA]  49.85 59.25 0 top
VIA#580  VAL**  [VIA]  48.55 59.25 0 top
VIA#581  VAL**  [VIA]  46.45 60 0 top
VIA#582  VAL**  [VIA]  45.45 61.1 0 top
VIA#583  VAL**  [VIA]  44.65 62 0 top
VIA#584  VAL**  [VIA]  43.85 63.15 0 top
VIA#585  VAL**  [VIA]  43.85 64.3 0 top
VIA#586  VAL**  [VIA]  54.95 95.35 0 top
VIA#587  VAL**  [VIA]  54 94.6 0 top
VIA#588  VAL**  [VIA]  53.15 93.8 0 top
VIA#589  VAL**  [VIA]  52.35 93 0 top
VIA#590  VAL**  [VIA]  55.5 92.55 0 top
VIA#591  VAL**  [VIA]  54.8 91.95 0 top
VIA#592  VAL**  [VIA]  54.1 91.2 0 top
VIA#593  VAL**  [VIA]  54.1 90.2 0 top
VIA#594  VAL**  [VIA]  54.1 89.2 0 top
VIA#595  VAL**  [VIA]  54.1 88.2 0 top
VIA#596  VAL**  [VIA]  54.1 87.2 0 top
VIA#597  VAL**  [VIA]  54.1 86.2 0 top
VIA#598  VAL**  [VIA]  54.1 85.2 0 top
VIA#599  VAL**  [VIA]  54.1 84.2 0 top
VIA#600  VAL**  [VIA]  54.1 83.2 0 top
VIA#601  VAL**  [VIA]  54.1 82.2 0 top
VIA#602  VAL**  [VIA]  56.4 77.2 0 top
VIA#603  VAL**  [VIA]  56.4 76.2 0 top
VIA#604  VAL**  [VIA]  56.4 75.2 0 top
VIA#605  VAL**  [VIA]  56.4 74.2 0 top
VIA#606  VAL**  [VIA]  56.4 73.2 0 top
VIA#607  VAL**  [VIA]  53.65 64.95 0 top
VIA#608  VAL**  [VIA]  56.4 72.2 0 top
VIA#609  VAL**  [VIA]  55.7 70.85 0 top
VIA#610  VAL**  [VIA]  54.75 69.9 0 top
VIA#611  VAL**  [VIA]  53.9 69 0 top
VIA#612  VAL**  [VIA]  53.9 68 0 top
VIA#613  VAL**  [VIA]  53.9 67 0 top
VIA#614  VAL**  [VIA]  53.9 66 0 top
VIA#615  VAL**  [VIA]  52.95 64.1 0 top
VIA#616  VAL**  [VIA]  52.15 63.35 0 top
VIA#617  VAL**  [VIA]  51.25 62.5 0 top
VIA#618  VAL**  [VIA]  50 61.95 0 top
VIA#619  VAL**  [VIA]  48.9 61.95 0 top
VIA#620  VAL**  [VIA]  47.95 62.45 0 top
VIA#621  VAL**  [VIA]  46.65 64.3 0 top
VIA#622  VAL**  [VIA]  49.55 64.35 0 top
VIA#623  VAL**  [VIA]  50.6 65.1 0 top
VIA#624  VAL**  [VIA]  51.45 65.85 0 top
VIA#625  VAL**  [VIA]  51.7 67 0 top
VIA#626  VAL**  [VIA]  51.7 68 0 top
VIA#627  VAL**  [VIA]  51.7 69 0 top
VIA#628  VAL**  [VIA]  51.95 70.25 0 top
VIA#629  VAL**  [VIA]  52.85 71.1 0 top
VIA#630  VAL**  [VIA]  54.1 80.2 0 top
VIA#631  VAL**  [VIA]  54.1 79.2 0 top
VIA#632  VAL**  [VIA]  54.1 78.2 0 top
VIA#633  VAL**  [VIA]  54.1 77.2 0 top
VIA#634  VAL**  [VIA]  54.1 76.2 0 top
VIA#635  VAL**  [VIA]  54.1 75.2 0 top
VIA#636  VAL**  [VIA]  54.1 74.2 0 top
VIA#637  VAL**  [VIA]  54.1 73.2 0 top
VIA#638  VAL**  [VIA]  51.1 72.5 0 top
VIA#639  VAL**  [VIA]  50.4 71.75 0 top
VIA#640  VAL**  [VIA]  49.6 71 0 top
VIA#641  VAL**  [VIA]  49.35 70 0 top
VIA#642  VAL**  [VIA]  49.35 69 0 top
VIA#643  VAL**  [VIA]  49.35 68 0 top
VIA#644  VAL**  [VIA]  53.65 71.85 0 top
VIA#645  VAL**  [VIA]  51.8 73.2 0 top
VIA#646  VAL**  [VIA]  51.8 74.2 0 top
VIA#647  VAL**  [VIA]  51.8 75.2 0 top
VIA#648  VAL**  [VIA]  51.8 76.2 0 top
VIA#649  VAL**  [VIA]  51.8 77.2 0 top
VIA#650  VAL**  [VIA]  51.8 78.2 0 top
VIA#651  VAL**  [VIA]  51.8 79.2 0 top
VIA#652  VAL**  [VIA]  51.8 80.2 0 top
VIA#653  VAL**  [VIA]  51.8 81.2 0 top
VIA#654  VAL**  [VIA]  51.8 82.2 0 top
VIA#655  VAL**  [VIA]  51.8 83.2 0 top
VIA#656  VAL**  [VIA]  51.8 84.2 0 top
VIA#657  VAL**  [VIA]  51.8 85.2 0 top
VIA#658  VAL**  [VIA]  51.8 86.2 0 top
VIA#659  VAL**  [VIA]  51.8 87.2 0 top
VIA#660  VAL**  [VIA]  51.8 88.2 0 top
VIA#661  VAL**  [VIA]  51.8 89.2 0 top
VIA#662  VAL**  [VIA]  51.8 90.2 0 top
VIA#663  VAL**  [VIA]  51.8 91.2 0 top
VIA#664  VAL**  [VIA]  51.8 92.2 0 top
VIA#665  VAL**  [VIA]  54.1 81.2 0 top
VIA#666  VAL**  [VIA]  77.2 63.3 0 top
VIA#667  VAL**  [VIA]  86.35 65.65 0 top
VIA#668  VAL**  [VIA]  86.35 64.2 0 top
VIA#669  VAL**  [VIA]  77.25 59.25 0 top
VIA#670  VAL**  [VIA]  84.15 61.65 0 top
VIA#671  VAL**  [VIA]  83.3 60.7 0 top
VIA#672  VAL**  [VIA]  82.3 59.75 0 top
VIA#673  VAL**  [VIA]  81.15 59.25 0 top
VIA#674  VAL**  [VIA]  79.85 59.25 0 top
